# KiCad board pcb.kicad_pcb
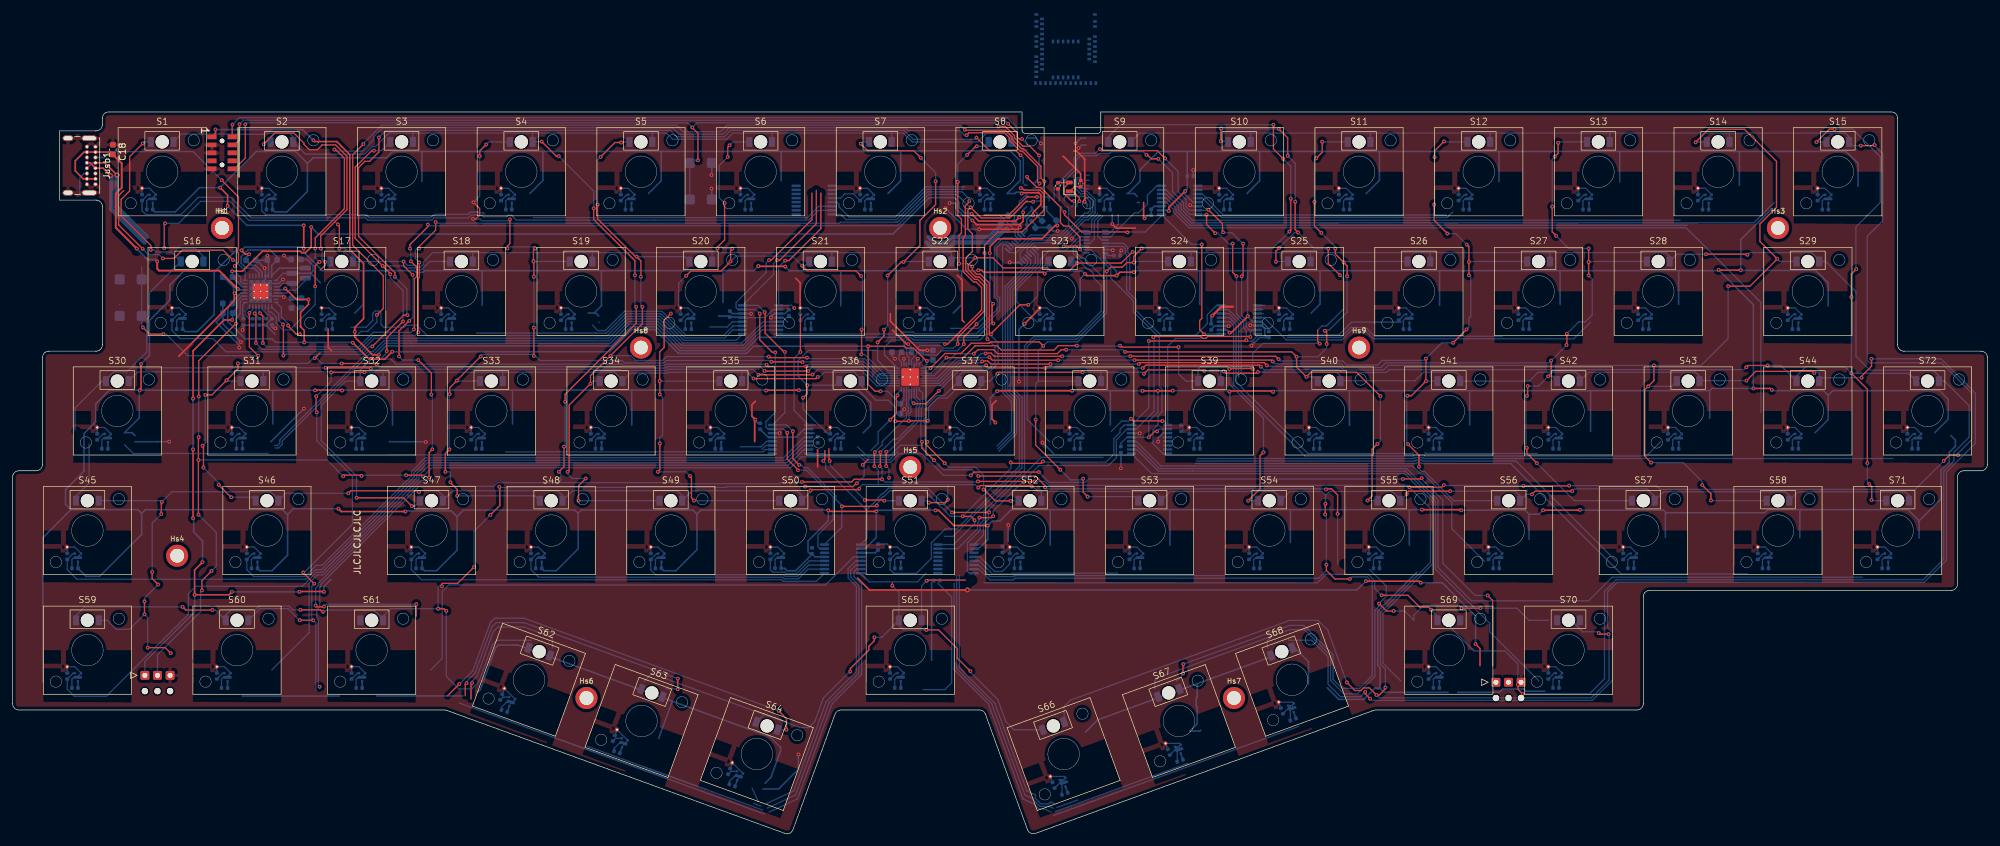
[diagram p0: board, top side]
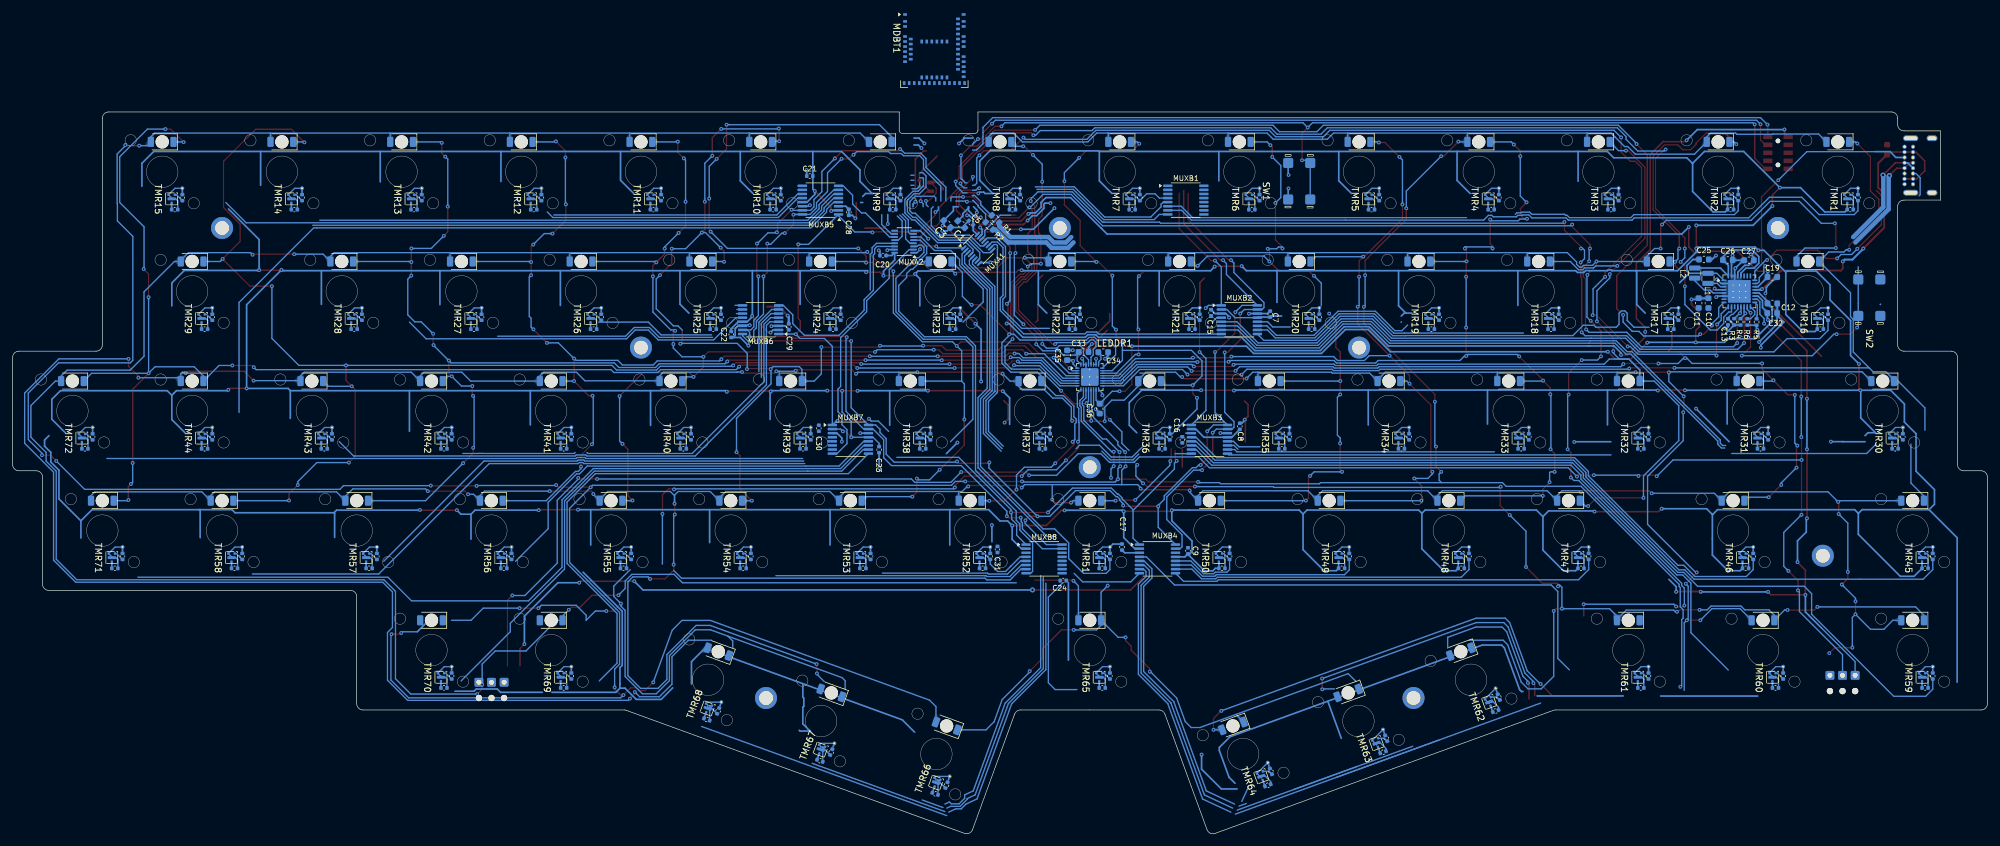
[diagram p1: board, bottom side, seen from below]

Outline 313.5 x 114.61 mm; copper layers: Top, Bottom. Coordinates in mm from the lower left corner of the outline.
Outline path: 0,56.61 arc(0.29,57.32) 1,57.61 3.75,57.61 arc(4.46,57.9) 4.75,58.61 4.75,75.61 arc(5.04,76.32) 5.75,76.61 13.25,76.61 arc(13.96,76.9) 14.25,77.61 14.25,99.61 arc(13.96,100.32) 13.25,100.61 7.45,100.61 7.45,111.61 13.25,111.61 arc(13.96,111.9) 14.25,112.61 14.25,113.61 arc(14.54,114.32) 15.25,114.61 160.25,114.61 160.25,111.71 arc(160.4,111.36) 160.75,111.21 172.25,111.21 arc(172.6,111.36) 172.75,111.71 172.75,114.61 298.25,114.61 arc(298.96,114.32) 299.25,113.61 299.25,77.61 arc(299.54,76.9) 300.25,76.61 312.5,76.61 arc(313.21,76.32) 313.5,75.61 313.5,58.61 arc(313.21,57.9) 312.5,57.61 309.75,57.61 arc(309.04,57.32) 308.75,56.61 308.75,39.61 arc(308.46,38.9) 307.75,38.61 259.88,38.61 arc(259.17,38.32) 258.88,37.61 258.88,20.61 arc(258.58,19.9) 257.88,19.61 216.4,19.61 arc(216.23,19.59) 216.06,19.55 162.39,0.01 arc(161.62,0.05) 161.11,0.61 154.43,18.95 arc(154.07,19.43) 153.49,19.61 131.51,19.61 arc(130.93,19.43) 130.57,18.95 123.89,0.6 arc(123.37,0.03) 122.61,0 68.89,19.55 arc(68.72,19.59) 68.55,19.61 1,19.61 arc(0.29,19.9) 0,20.61 0,56.61
Stack: Top 0.035mm / dielectric 1mm FR4 er 4.5 / Bottom 0.035mm

## Placement (name value [footprint] x y rotation side)
BAT1  ~  [PCB_Wire_Solder_3p_Connector]  23 25.11 0 top
BAT2  ~  [PCB_Wire_Solder_3p_Connector]  237.47 24.01 0 top
C1  10uF  [C_0603_1608Metric]  162.9 96.76 225 bottom
C2  12pF  [C_0402_1005Metric]  169.55 103.23 90 top
C3  10uF  [C_0603_1608Metric]  165.15 96.81 225 bottom
C4  12pF  [C_0402_1005Metric]  165.95 102.89 270 top
C5  .1uF  [C_0402_1005Metric]  161.35 97.01 225 bottom
C7  .1uF  [C_0402_1005Metric]  113.86 82.5 270 bottom
C8  .1uF  [C_0402_1005Metric]  118.67 64.68 270 bottom
C9  .1uF  [C_0402_1005Metric]  126.91 44.9 270 bottom
C10  10uF  [C_0603_1608Metric]  44.29 84.25 270 bottom
C11  10uF  [C_0603_1608Metric]  45.84 84.26 270 bottom
C12  10uF  [C_0603_1608Metric]  34.14 84.19 180 bottom
C13  0.1uF  [C_0402_1005Metric]  41.18 81.28 90 bottom
C15  .1uF  [C_0402_1005Metric]  123.24 82.72 270 bottom
C16  .1uF  [C_0402_1005Metric]  127.81 62.53 270 bottom
C17  .1uF  [C_0402_1005Metric]  137.38 45.49 270 bottom
C18  1uF  [C_0603_1608Metric]  15.92 108.63 90 top
C19  1uF  [C_0603_1608Metric]  34.14 88.4 180 bottom
C20  .1uF  [C_0402_1005Metric]  175.33 91.81 180 bottom
C21  .1uF  [C_0402_1005Metric]  186.95 104.43 180 bottom
C22  .1uF  [C_0402_1005Metric]  199.42 79.27 90 bottom
C23  .1uF  [C_0402_1005Metric]  175.94 60.97 90 bottom
C24  .1uF  [C_0402_1005Metric]  146.71 40.17 180 bottom
C25  10uF  [C_0603_1608Metric]  45.01 91.18 180 bottom
C26  10uF  [C_0603_1608Metric]  41.22 91.1 180 bottom
C27  2.2uF  [C_0603_1608Metric]  37.84 91.05 0 bottom
C28  .1uF  [C_0402_1005Metric]  180.75 98.67 270 bottom
C29  .1uF  [C_0402_1005Metric]  190.28 80.47 270 bottom
C30  .1uF  [C_0402_1005Metric]  185.51 64.37 270 bottom
C31  .1uF  [C_0402_1005Metric]  157.15 45.11 270 bottom
C32  2.2uF  [C_0603_1608Metric]  34.16 82.66 180 bottom
C33  1nF  [C_0603_1608Metric]  143.47 76.48 180 bottom
C34  1uF  [C_0603_1608Metric]  140.37 76.45 0 bottom
C35  1uF  [C_0603_1608Metric]  146.09 75.97 90 bottom
C36  1uF  [C_0603_1608Metric]  140.92 67.47 270 bottom
Cvcc1  0.1uF  [C_0402_1005Metric_Cvcc]  21.77 99.11 180 bottom
Cvcc2  0.1uF  [C_0402_1005Metric_Cvcc]  40.77 99.11 180 bottom
Cvcc3  0.1uF  [C_0402_1005Metric_Cvcc]  59.77 99.11 180 bottom
Cvcc4  0.1uF  [C_0402_1005Metric_Cvcc]  78.77 99.11 180 bottom
Cvcc5  0.1uF  [C_0402_1005Metric_Cvcc]  97.77 99.11 180 bottom
Cvcc6  0.1uF  [C_0402_1005Metric_Cvcc]  116.77 99.11 180 bottom
Cvcc7  0.1uF  [C_0402_1005Metric_Cvcc]  135.77 99.11 180 bottom
Cvcc8  0.1uF  [C_0402_1005Metric_Cvcc]  154.77 99.11 180 bottom
Cvcc9  0.1uF  [C_0402_1005Metric_Cvcc]  173.77 99.11 180 bottom
Cvcc10  0.1uF  [C_0402_1005Metric_Cvcc]  192.77 99.11 180 bottom
Cvcc11  0.1uF  [C_0402_1005Metric_Cvcc]  211.77 99.11 180 bottom
Cvcc12  0.1uF  [C_0402_1005Metric_Cvcc]  230.77 99.11 180 bottom
Cvcc13  0.1uF  [C_0402_1005Metric_Cvcc]  249.77 99.11 180 bottom
Cvcc14  0.1uF  [C_0402_1005Metric_Cvcc]  268.77 99.11 180 bottom
Cvcc15  0.1uF  [C_0402_1005Metric_Cvcc]  287.77 99.11 180 bottom
Cvcc16  0.1uF  [C_0402_1005Metric_Cvcc]  26.52 80.11 180 bottom
Cvcc17  0.1uF  [C_0402_1005Metric_Cvcc]  50.27 80.11 180 bottom
Cvcc18  0.1uF  [C_0402_1005Metric_Cvcc]  69.27 80.11 180 bottom
Cvcc19  0.1uF  [C_0402_1005Metric_Cvcc]  88.27 80.11 180 bottom
Cvcc20  0.1uF  [C_0402_1005Metric_Cvcc]  107.27 80.11 180 bottom
Cvcc21  0.1uF  [C_0402_1005Metric_Cvcc]  126.27 80.11 180 bottom
Cvcc22  0.1uF  [C_0402_1005Metric_Cvcc]  145.27 80.11 180 bottom
Cvcc23  0.1uF  [C_0402_1005Metric_Cvcc]  164.27 80.11 180 bottom
Cvcc24  0.1uF  [C_0402_1005Metric_Cvcc]  183.27 80.11 180 bottom
Cvcc25  0.1uF  [C_0402_1005Metric_Cvcc]  202.27 80.11 180 bottom
Cvcc26  0.1uF  [C_0402_1005Metric_Cvcc]  221.27 80.11 180 bottom
Cvcc27  0.1uF  [C_0402_1005Metric_Cvcc]  240.27 80.11 180 bottom
Cvcc28  0.1uF  [C_0402_1005Metric_Cvcc]  259.27 80.11 180 bottom
Cvcc29  0.1uF  [C_0402_1005Metric_Cvcc]  283.02 80.11 180 bottom
Cvcc30  0.1uF  [C_0402_1005Metric_Cvcc]  14.64 61.11 180 bottom
Cvcc31  0.1uF  [C_0402_1005Metric_Cvcc]  36.02 61.11 180 bottom
Cvcc32  0.1uF  [C_0402_1005Metric_Cvcc]  55.02 61.11 180 bottom
Cvcc33  0.1uF  [C_0402_1005Metric_Cvcc]  74.02 61.11 180 bottom
Cvcc34  0.1uF  [C_0402_1005Metric_Cvcc]  93.02 61.11 180 bottom
Cvcc35  0.1uF  [C_0402_1005Metric_Cvcc]  112.02 61.11 180 bottom
Cvcc36  0.1uF  [C_0402_1005Metric_Cvcc]  131.02 61.11 180 bottom
Cvcc37  0.1uF  [C_0402_1005Metric_Cvcc]  150.02 61.11 180 bottom
Cvcc38  0.1uF  [C_0402_1005Metric_Cvcc]  169.02 61.11 180 bottom
Cvcc39  0.1uF  [C_0402_1005Metric_Cvcc]  188.02 61.11 180 bottom
Cvcc40  0.1uF  [C_0402_1005Metric_Cvcc]  207.02 61.11 180 bottom
Cvcc41  0.1uF  [C_0402_1005Metric_Cvcc]  226.02 61.11 180 bottom
Cvcc42  0.1uF  [C_0402_1005Metric_Cvcc]  245.02 61.11 180 bottom
Cvcc43  0.1uF  [C_0402_1005Metric_Cvcc]  264.02 61.11 180 bottom
Cvcc44  0.1uF  [C_0402_1005Metric_Cvcc]  283.02 61.11 180 bottom
Cvcc45  0.1uF  [C_0402_1005Metric_Cvcc]  9.89 42.11 180 bottom
Cvcc46  0.1uF  [C_0402_1005Metric_Cvcc]  38.4 42.11 180 bottom
Cvcc47  0.1uF  [C_0402_1005Metric_Cvcc]  64.52 42.11 180 bottom
Cvcc48  0.1uF  [C_0402_1005Metric_Cvcc]  83.52 42.11 180 bottom
Cvcc49  0.1uF  [C_0402_1005Metric_Cvcc]  102.52 42.11 180 bottom
Cvcc50  0.1uF  [C_0402_1005Metric_Cvcc]  121.52 42.11 180 bottom
Cvcc51  0.1uF  [C_0402_1005Metric_Cvcc]  140.52 42.11 180 bottom
Cvcc52  0.1uF  [C_0402_1005Metric_Cvcc]  159.52 42.11 180 bottom
Cvcc53  0.1uF  [C_0402_1005Metric_Cvcc]  178.52 42.11 180 bottom
Cvcc54  0.1uF  [C_0402_1005Metric_Cvcc]  197.52 42.11 180 bottom
Cvcc55  0.1uF  [C_0402_1005Metric_Cvcc]  216.52 42.11 180 bottom
Cvcc56  0.1uF  [C_0402_1005Metric_Cvcc]  235.52 42.11 180 bottom
Cvcc57  0.1uF  [C_0402_1005Metric_Cvcc]  256.89 42.11 180 bottom
Cvcc58  0.1uF  [C_0402_1005Metric_Cvcc]  278.27 42.11 180 bottom
Cvcc59  0.1uF  [C_0402_1005Metric_Cvcc]  9.89 23.11 180 bottom
Cvcc60  0.1uF  [C_0402_1005Metric_Cvcc]  33.64 23.11 180 bottom
Cvcc61  0.1uF  [C_0402_1005Metric_Cvcc]  55.02 23.11 180 bottom
Cvcc62  0.1uF  [C_0402_1005Metric_Cvcc]  78.06 19.45 160 bottom
Cvcc63  0.1uF  [C_0402_1005Metric_Cvcc]  95.94 12.9 160 bottom
Cvcc64  0.1uF  [C_0402_1005Metric_Cvcc]  114.24 7.65 160 bottom
Cvcc65  0.1uF  [C_0402_1005Metric_Cvcc]  140.52 23.11 180 bottom
Cvcc66  0.1uF  [C_0402_1005Metric_Cvcc]  167.04 6.29 200 bottom
Cvcc67  0.1uF  [C_0402_1005Metric_Cvcc]  185.34 11.54 200 bottom
Cvcc68  0.1uF  [C_0402_1005Metric_Cvcc]  203.29 18.09 200 bottom
Cvcc69  0.1uF  [C_0402_1005Metric_Cvcc]  226.02 23.11 180 bottom
Cvcc70  0.1uF  [C_0402_1005Metric_Cvcc]  245.02 23.11 180 bottom
Cvcc71  0.1uF  [C_0402_1005Metric_Cvcc]  297.27 42.11 180 bottom
Cvcc72  0.1uF  [C_0402_1005Metric_Cvcc]  302.02 61.11 180 bottom
Cvout1  0.1nF  [C_0402_1005Metric_Cvout]  20.55 101.01 90 bottom
Cvout2  0.1nF  [C_0402_1005Metric_Cvout]  39.55 101.01 90 bottom
Cvout3  0.1nF  [C_0402_1005Metric_Cvout]  58.55 101.01 90 bottom
Cvout4  0.1nF  [C_0402_1005Metric_Cvout]  77.55 101.01 90 bottom
Cvout5  0.1nF  [C_0402_1005Metric_Cvout]  96.55 101.01 90 bottom
Cvout6  0.1nF  [C_0402_1005Metric_Cvout]  115.55 101.01 90 bottom
Cvout7  0.1nF  [C_0402_1005Metric_Cvout]  134.55 101.01 90 bottom
Cvout8  0.1nF  [C_0402_1005Metric_Cvout]  153.55 101.01 90 bottom
Cvout9  0.1nF  [C_0402_1005Metric_Cvout]  172.55 101.01 90 bottom
Cvout10  0.1nF  [C_0402_1005Metric_Cvout]  191.55 101.01 90 bottom
Cvout11  0.1nF  [C_0402_1005Metric_Cvout]  210.55 101.01 90 bottom
Cvout12  0.1nF  [C_0402_1005Metric_Cvout]  229.55 101.01 90 bottom
Cvout13  0.1nF  [C_0402_1005Metric_Cvout]  248.55 101.01 90 bottom
Cvout14  0.1nF  [C_0402_1005Metric_Cvout]  267.55 101.01 90 bottom
Cvout15  0.1nF  [C_0402_1005Metric_Cvout]  286.55 101.01 90 bottom
Cvout16  0.1nF  [C_0402_1005Metric_Cvout]  25.3 82.01 90 bottom
Cvout17  0.1nF  [C_0402_1005Metric_Cvout]  49.05 82.01 90 bottom
Cvout18  0.1nF  [C_0402_1005Metric_Cvout]  68.05 82.01 90 bottom
Cvout19  0.1nF  [C_0402_1005Metric_Cvout]  87.05 82.01 90 bottom
Cvout20  0.1nF  [C_0402_1005Metric_Cvout]  106.05 82.01 90 bottom
Cvout21  0.1nF  [C_0402_1005Metric_Cvout]  125.05 82.01 90 bottom
Cvout22  0.1nF  [C_0402_1005Metric_Cvout]  144.05 82.01 90 bottom
Cvout23  0.1nF  [C_0402_1005Metric_Cvout]  163.05 82.01 90 bottom
Cvout24  0.1nF  [C_0402_1005Metric_Cvout]  182.05 82.01 90 bottom
Cvout25  0.1nF  [C_0402_1005Metric_Cvout]  201.05 82.01 90 bottom
Cvout26  0.1nF  [C_0402_1005Metric_Cvout]  220.05 82.01 90 bottom
Cvout27  0.1nF  [C_0402_1005Metric_Cvout]  239.05 82.01 90 bottom
Cvout28  0.1nF  [C_0402_1005Metric_Cvout]  258.05 82.01 90 bottom
Cvout29  0.1nF  [C_0402_1005Metric_Cvout]  281.8 82.01 90 bottom
Cvout30  0.1nF  [C_0402_1005Metric_Cvout]  13.43 63.01 90 bottom
Cvout31  0.1nF  [C_0402_1005Metric_Cvout]  34.8 63.01 90 bottom
Cvout32  0.1nF  [C_0402_1005Metric_Cvout]  53.8 63.01 90 bottom
Cvout33  0.1nF  [C_0402_1005Metric_Cvout]  72.8 63.01 90 bottom
Cvout34  0.1nF  [C_0402_1005Metric_Cvout]  91.8 63.01 90 bottom
Cvout35  0.1nF  [C_0402_1005Metric_Cvout]  110.8 63.01 90 bottom
Cvout36  0.1nF  [C_0402_1005Metric_Cvout]  129.8 63.01 90 bottom
Cvout37  0.1nF  [C_0402_1005Metric_Cvout]  148.8 63.01 90 bottom
Cvout38  0.1nF  [C_0402_1005Metric_Cvout]  167.8 63.01 90 bottom
Cvout39  0.1nF  [C_0402_1005Metric_Cvout]  186.8 63.01 90 bottom
Cvout40  0.1nF  [C_0402_1005Metric_Cvout]  205.8 63.01 90 bottom
Cvout41  0.1nF  [C_0402_1005Metric_Cvout]  224.8 63.01 90 bottom
Cvout42  0.1nF  [C_0402_1005Metric_Cvout]  243.8 63.01 90 bottom
Cvout43  0.1nF  [C_0402_1005Metric_Cvout]  262.8 63.01 90 bottom
Cvout44  0.1nF  [C_0402_1005Metric_Cvout]  281.8 63.01 90 bottom
Cvout45  0.1nF  [C_0402_1005Metric_Cvout]  8.68 44.01 90 bottom
Cvout46  0.1nF  [C_0402_1005Metric_Cvout]  37.17 44.01 90 bottom
Cvout47  0.1nF  [C_0402_1005Metric_Cvout]  63.3 44.01 90 bottom
Cvout48  0.1nF  [C_0402_1005Metric_Cvout]  82.3 44.01 90 bottom
Cvout49  0.1nF  [C_0402_1005Metric_Cvout]  101.3 44.01 90 bottom
Cvout50  0.1nF  [C_0402_1005Metric_Cvout]  120.3 44.01 90 bottom
Cvout51  0.1nF  [C_0402_1005Metric_Cvout]  139.3 44.01 90 bottom
Cvout52  0.1nF  [C_0402_1005Metric_Cvout]  158.3 44.01 90 bottom
Cvout53  0.1nF  [C_0402_1005Metric_Cvout]  177.3 44.01 90 bottom
Cvout54  0.1nF  [C_0402_1005Metric_Cvout]  196.3 44.01 90 bottom
Cvout55  0.1nF  [C_0402_1005Metric_Cvout]  215.3 44.01 90 bottom
Cvout56  0.1nF  [C_0402_1005Metric_Cvout]  234.3 44.01 90 bottom
Cvout57  0.1nF  [C_0402_1005Metric_Cvout]  255.68 44.01 90 bottom
Cvout58  0.1nF  [C_0402_1005Metric_Cvout]  277.05 44.01 90 bottom
Cvout59  0.1nF  [C_0402_1005Metric_Cvout]  8.68 25.01 90 bottom
Cvout60  0.1nF  [C_0402_1005Metric_Cvout]  32.42 25.01 90 bottom
Cvout61  0.1nF  [C_0402_1005Metric_Cvout]  53.8 25.01 90 bottom
Cvout62  0.1nF  [C_0402_1005Metric_Cvout]  77.57 21.65 70 bottom
Cvout63  0.1nF  [C_0402_1005Metric_Cvout]  95.44 15.1 70 bottom
Cvout64  0.1nF  [C_0402_1005Metric_Cvout]  113.74 9.85 70 bottom
Cvout65  0.1nF  [C_0402_1005Metric_Cvout]  139.3 25.01 90 bottom
Cvout66  0.1nF  [C_0402_1005Metric_Cvout]  165.25 7.66 110 bottom
Cvout67  0.1nF  [C_0402_1005Metric_Cvout]  183.55 12.91 110 bottom
Cvout68  0.1nF  [C_0402_1005Metric_Cvout]  201.5 19.46 110 bottom
Cvout69  0.1nF  [C_0402_1005Metric_Cvout]  224.8 25.01 90 bottom
Cvout70  0.1nF  [C_0402_1005Metric_Cvout]  243.8 25.01 90 bottom
Cvout71  0.1nF  [C_0402_1005Metric_Cvout]  296.05 44.01 90 bottom
Cvout72  0.1nF  [C_0402_1005Metric_Cvout]  300.8 63.01 90 bottom
D1  Green LED  [LED_1206_3216Metric_ReverseMount_Hole2.1mm]  23.75 109.86 0 bottom
D2  Green LED  [LED_1206_3216Metric_ReverseMount_Hole2.1mm]  42.75 109.86 0 bottom
D3  Green LED  [LED_1206_3216Metric_ReverseMount_Hole2.1mm]  61.75 109.86 0 bottom
D4  Green LED  [LED_1206_3216Metric_ReverseMount_Hole2.1mm]  80.75 109.86 0 bottom
D5  Green LED  [LED_1206_3216Metric_ReverseMount_Hole2.1mm]  99.75 109.86 0 bottom
D6  Green LED  [LED_1206_3216Metric_ReverseMount_Hole2.1mm]  118.75 109.86 0 bottom
D7  Green LED  [LED_1206_3216Metric_ReverseMount_Hole2.1mm]  137.75 109.86 0 bottom
D8  Green LED  [LED_1206_3216Metric_ReverseMount_Hole2.1mm]  156.75 109.86 0 bottom
D9  Green LED  [LED_1206_3216Metric_ReverseMount_Hole2.1mm]  175.75 109.86 0 bottom
D10  Green LED  [LED_1206_3216Metric_ReverseMount_Hole2.1mm]  194.75 109.86 0 bottom
D11  Green LED  [LED_1206_3216Metric_ReverseMount_Hole2.1mm]  213.75 109.86 0 bottom
D12  Green LED  [LED_1206_3216Metric_ReverseMount_Hole2.1mm]  232.75 109.86 0 bottom
D13  Green LED  [LED_1206_3216Metric_ReverseMount_Hole2.1mm]  251.75 109.86 0 bottom
D14  Green LED  [LED_1206_3216Metric_ReverseMount_Hole2.1mm]  270.75 109.86 0 bottom
D15  Green LED  [LED_1206_3216Metric_ReverseMount_Hole2.1mm]  289.75 109.86 0 bottom
D16  Green LED  [LED_1206_3216Metric_ReverseMount_Hole2.1mm]  28.5 90.86 0 bottom
D17  Green LED  [LED_1206_3216Metric_ReverseMount_Hole2.1mm]  52.25 90.86 0 bottom
D18  Green LED  [LED_1206_3216Metric_ReverseMount_Hole2.1mm]  71.25 90.86 0 bottom
D19  Green LED  [LED_1206_3216Metric_ReverseMount_Hole2.1mm]  90.25 90.86 0 bottom
D20  Green LED  [LED_1206_3216Metric_ReverseMount_Hole2.1mm]  109.25 90.86 0 bottom
D21  Green LED  [LED_1206_3216Metric_ReverseMount_Hole2.1mm]  128.25 90.86 0 bottom
D22  Green LED  [LED_1206_3216Metric_ReverseMount_Hole2.1mm]  147.25 90.86 0 bottom
D23  Green LED  [LED_1206_3216Metric_ReverseMount_Hole2.1mm]  166.25 90.86 0 bottom
D24  Green LED  [LED_1206_3216Metric_ReverseMount_Hole2.1mm]  185.25 90.86 0 bottom
D25  Green LED  [LED_1206_3216Metric_ReverseMount_Hole2.1mm]  204.25 90.86 0 bottom
D26  Green LED  [LED_1206_3216Metric_ReverseMount_Hole2.1mm]  223.25 90.86 0 bottom
D27  Green LED  [LED_1206_3216Metric_ReverseMount_Hole2.1mm]  242.25 90.86 0 bottom
D28  Green LED  [LED_1206_3216Metric_ReverseMount_Hole2.1mm]  261.25 90.86 0 bottom
D29  Green LED  [LED_1206_3216Metric_ReverseMount_Hole2.1mm]  285 90.86 0 bottom
D30  Green LED  [LED_1206_3216Metric_ReverseMount_Hole2.1mm]  16.62 71.86 0 bottom
D31  Green LED  [LED_1206_3216Metric_ReverseMount_Hole2.1mm]  38 71.86 0 bottom
D32  Green LED  [LED_1206_3216Metric_ReverseMount_Hole2.1mm]  57 71.86 0 bottom
D33  Green LED  [LED_1206_3216Metric_ReverseMount_Hole2.1mm]  76 71.86 0 bottom
D34  Green LED  [LED_1206_3216Metric_ReverseMount_Hole2.1mm]  95 71.86 0 bottom
D35  Green LED  [LED_1206_3216Metric_ReverseMount_Hole2.1mm]  114 71.86 0 bottom
D36  Green LED  [LED_1206_3216Metric_ReverseMount_Hole2.1mm]  133 71.86 0 bottom
D37  Green LED  [LED_1206_3216Metric_ReverseMount_Hole2.1mm]  152 71.86 0 bottom
D38  Green LED  [LED_1206_3216Metric_ReverseMount_Hole2.1mm]  171 71.86 0 bottom
D39  Green LED  [LED_1206_3216Metric_ReverseMount_Hole2.1mm]  190 71.86 0 bottom
D40  Green LED  [LED_1206_3216Metric_ReverseMount_Hole2.1mm]  209 71.86 0 bottom
D41  Green LED  [LED_1206_3216Metric_ReverseMount_Hole2.1mm]  228 71.86 0 bottom
D42  Green LED  [LED_1206_3216Metric_ReverseMount_Hole2.1mm]  247 71.86 0 bottom
D43  Green LED  [LED_1206_3216Metric_ReverseMount_Hole2.1mm]  266 71.86 0 bottom
D44  Green LED  [LED_1206_3216Metric_ReverseMount_Hole2.1mm]  285 71.86 0 bottom
D45  Green LED  [LED_1206_3216Metric_ReverseMount_Hole2.1mm]  11.88 52.86 0 bottom
D46  Green LED  [LED_1206_3216Metric_ReverseMount_Hole2.1mm]  40.38 52.86 0 bottom
D47  Green LED  [LED_1206_3216Metric_ReverseMount_Hole2.1mm]  66.5 52.86 0 bottom
D48  Green LED  [LED_1206_3216Metric_ReverseMount_Hole2.1mm]  85.5 52.86 0 bottom
D49  Green LED  [LED_1206_3216Metric_ReverseMount_Hole2.1mm]  104.5 52.86 0 bottom
D50  Green LED  [LED_1206_3216Metric_ReverseMount_Hole2.1mm]  123.5 52.86 0 bottom
D51  Green LED  [LED_1206_3216Metric_ReverseMount_Hole2.1mm]  142.5 52.86 0 bottom
D52  Green LED  [LED_1206_3216Metric_ReverseMount_Hole2.1mm]  161.5 52.86 0 bottom
D53  Green LED  [LED_1206_3216Metric_ReverseMount_Hole2.1mm]  180.5 52.86 0 bottom
D54  Green LED  [LED_1206_3216Metric_ReverseMount_Hole2.1mm]  199.5 52.86 0 bottom
D55  Green LED  [LED_1206_3216Metric_ReverseMount_Hole2.1mm]  218.5 52.86 0 bottom
D56  Green LED  [LED_1206_3216Metric_ReverseMount_Hole2.1mm]  237.5 52.86 0 bottom
D57  Green LED  [LED_1206_3216Metric_ReverseMount_Hole2.1mm]  258.88 52.86 0 bottom
D58  Green LED  [LED_1206_3216Metric_ReverseMount_Hole2.1mm]  280.25 52.86 0 bottom
D59  Green LED  [LED_1206_3216Metric_ReverseMount_Hole2.1mm]  11.88 33.86 0 bottom
D60  Green LED  [LED_1206_3216Metric_ReverseMount_Hole2.1mm]  35.62 33.86 0 bottom
D61  Green LED  [LED_1206_3216Metric_ReverseMount_Hole2.1mm]  57 33.86 0 bottom
D62  Green LED  [LED_1206_3216Metric_ReverseMount_Hole2.1mm]  83.6 28.87 340 bottom
D63  Green LED  [LED_1206_3216Metric_ReverseMount_Hole2.1mm]  101.47 22.32 340 bottom
D64  Green LED  [LED_1206_3216Metric_ReverseMount_Hole2.1mm]  119.77 17.07 340 bottom
D65  Green LED  [LED_1206_3216Metric_ReverseMount_Hole2.1mm]  142.5 33.86 0 bottom
D66  Green LED  [LED_1206_3216Metric_ReverseMount_Hole2.1mm]  165.23 17.07 20 bottom
D67  Green LED  [LED_1206_3216Metric_ReverseMount_Hole2.1mm]  183.53 22.32 20 bottom
D68  Green LED  [LED_1206_3216Metric_ReverseMount_Hole2.1mm]  201.48 28.87 20 bottom
D69  Green LED  [LED_1206_3216Metric_ReverseMount_Hole2.1mm]  228 33.86 0 bottom
D70  Green LED  [LED_1206_3216Metric_ReverseMount_Hole2.1mm]  247 33.86 0 bottom
D71  Green LED  [LED_1206_3216Metric_ReverseMount_Hole2.1mm]  299.25 52.86 0 bottom
D72  Green LED  [LED_1206_3216Metric_ReverseMount_Hole2.1mm]  304 71.86 0 bottom
H1  M2_Pad  [MountingHole_2.2mm_M2_ISO7380_Pad_TopBottom]  33.25 96.18 0 top
Hs1  M2_Pad  [MountingHole_2.2mm_M2_ISO7380_Pad_TopBottom]  33.25 96.18 0 top
Hs2  M2_Pad  [MountingHole_2.2mm_M2_ISO7380_Pad_TopBottom]  147.25 96.18 0 top
Hs3  M2_Pad  [MountingHole_2.2mm_M2_ISO7380_Pad_TopBottom]  280.25 96.18 0 top
Hs4  M2_Pad  [MountingHole_2.2mm_M2_ISO7380_Pad_TopBottom]  26.12 44.11 0 top
Hs5  M2_Pad  [MountingHole_2.2mm_M2_ISO7380_Pad_TopBottom]  142.5 58.18 0 top
Hs6  M2_Pad  [MountingHole_2.2mm_M2_ISO7380_Pad_TopBottom]  91.11 21.51 0 top
Hs7  M2_Pad  [MountingHole_2.2mm_M2_ISO7380_Pad_TopBottom]  193.9 21.51 0 top
Hs8  M2_Pad  [MountingHole_2.2mm_M2_ISO7380_Pad_TopBottom]  99.75 77.18 0 top
Hs9  M2_Pad  [MountingHole_2.2mm_M2_ISO7380_Pad_TopBottom]  213.75 77.18 0 top
JLC1  -  [JLC_Order_Num]  54.81 46.35 90 top
JTAG1  Conn_ARM_JTAG_SWD_10  [SAMTEC-CLP-105-02-X-D-A]  33.25 108.11 270 top
Jusb1  USB_TYPE_C_Receptacle_16P  [USB_C_Receptacle_GCT_USB4085]  13.15 109.09 270 top
L1  2.2uH  [L_Samsung_CIGT201610EH2R2MNE]  44.36 88.18 270 bottom
L2  2.2uH  [L_Samsung_CIGT201610EH2R2MNE]  46.46 89.02 270 bottom
LEDDR1  LP5864  [LP5864-VQFN-32-1EP_4x4mm_P0.4mm_EP2.8x2.8mm_ThermalVias]  142.5 72.51 180 bottom
MDBT1  ~  [Raytac_MDBT50Q]  167.17 126.35 180 bottom
MUXA1  TMUX1574DYY  [Texas_DYY0016A_TSOT-23-16_2x4.2mm_P0.5mm]  160.19 92.84 135 bottom
MUXA2  TMUX1574DYY  [Texas_DYY0016A_TSOT-23-16_2x4.2mm_P0.5mm]  171.97 94 0 bottom
MUXB1  TMUX1108PW  [TSSOP-16_4.4x5mm_P0.65mm]  127.25 100.61 180 bottom
MUXB2  TMUX1108PW  [TSSOP-16_4.4x5mm_P0.65mm]  118.75 81.61 180 bottom
MUXB3  TMUX1108PW  [TSSOP-16_4.4x5mm_P0.65mm]  123.5 62.61 180 bottom
MUXB4  TMUX1108PW  [TSSOP-16_4.4x5mm_P0.65mm]  131.75 43.61 180 bottom
MUXB5  TMUX1108PW  [TSSOP-16_4.4x5mm_P0.65mm]  185.25 100.61 0 bottom
MUXB6  TMUX1108PW  [TSSOP-16_4.4x5mm_P0.65mm]  194.75 81.61 0 bottom
MUXB7  TMUX1108PW  [TSSOP-16_4.4x5mm_P0.65mm]  180.5 62.61 180 bottom
MUXB8  TMUX1108PW  [TSSOP-16_4.4x5mm_P0.65mm]  149.75 43.61 180 bottom
PMIC1  nPM1300-QEXX  [QFN-32-1EP_5x5mm_P0.5mm_EP3.6x3.6mm_ThermalVias]  39.38 86.11 180 bottom
R1  27R  [R_0603_1608Metric]  157.47 97.62 225 bottom
R2  27R  [R_0603_1608Metric]  158.45 96.51 225 bottom
R3  10k  [R_0402_1005Metric]  39.19 81.27 90 bottom
R4  10k  [R_0402_1005Metric]  40.2 81.27 90 bottom
R5  47k  [R_0402_1005Metric]  36.64 81.24 90 bottom
R6  47k  [R_0402_1005Metric]  38.11 81.26 90 bottom
S1  Switch  [Kailh_sw_lowpro]  23.75 105.11 0 top
S2  Switch  [Kailh_sw_lowpro]  42.75 105.11 0 top
S3  Switch  [Kailh_sw_lowpro]  61.75 105.11 0 top
S4  Switch  [Kailh_sw_lowpro]  80.75 105.11 0 top
S5  Switch  [Kailh_sw_lowpro]  99.75 105.11 0 top
S6  Switch  [Kailh_sw_lowpro]  118.75 105.11 0 top
S7  Switch  [Kailh_sw_lowpro]  137.75 105.11 0 top
S8  Switch  [Kailh_sw_lowpro]  156.75 105.11 0 top
S9  Switch  [Kailh_sw_lowpro]  175.75 105.11 0 top
S10  Switch  [Kailh_sw_lowpro]  194.75 105.11 0 top
S11  Switch  [Kailh_sw_lowpro]  213.75 105.11 0 top
S12  Switch  [Kailh_sw_lowpro]  232.75 105.11 0 top
S13  Switch  [Kailh_sw_lowpro]  251.75 105.11 0 top
S14  Switch  [Kailh_sw_lowpro]  270.75 105.11 0 top
S15  Switch  [Kailh_sw_lowpro]  289.75 105.11 0 top
S16  Switch  [Kailh_sw_lowpro]  28.5 86.11 0 top
S17  Switch  [Kailh_sw_lowpro]  52.25 86.11 0 top
S18  Switch  [Kailh_sw_lowpro]  71.25 86.11 0 top
S19  Switch  [Kailh_sw_lowpro]  90.25 86.11 0 top
S20  Switch  [Kailh_sw_lowpro]  109.25 86.11 0 top